# Altium PCB LimeSDR-PCIe_1v3.PcbDoc (part 5 of 10)
Units mm, origin at the board's own origin, x right, y up, seen from the top; angles counter-clockwise.
Board outline 136.85 x 68.9 mm, 12 copper layers (Top, L2, L3, L4, L5, L6, L7, L8, L9, L10, L11, Bottom), stack 1.638 mm thick; 831 components, 538 nets, 3821 pads, 1805 vias.
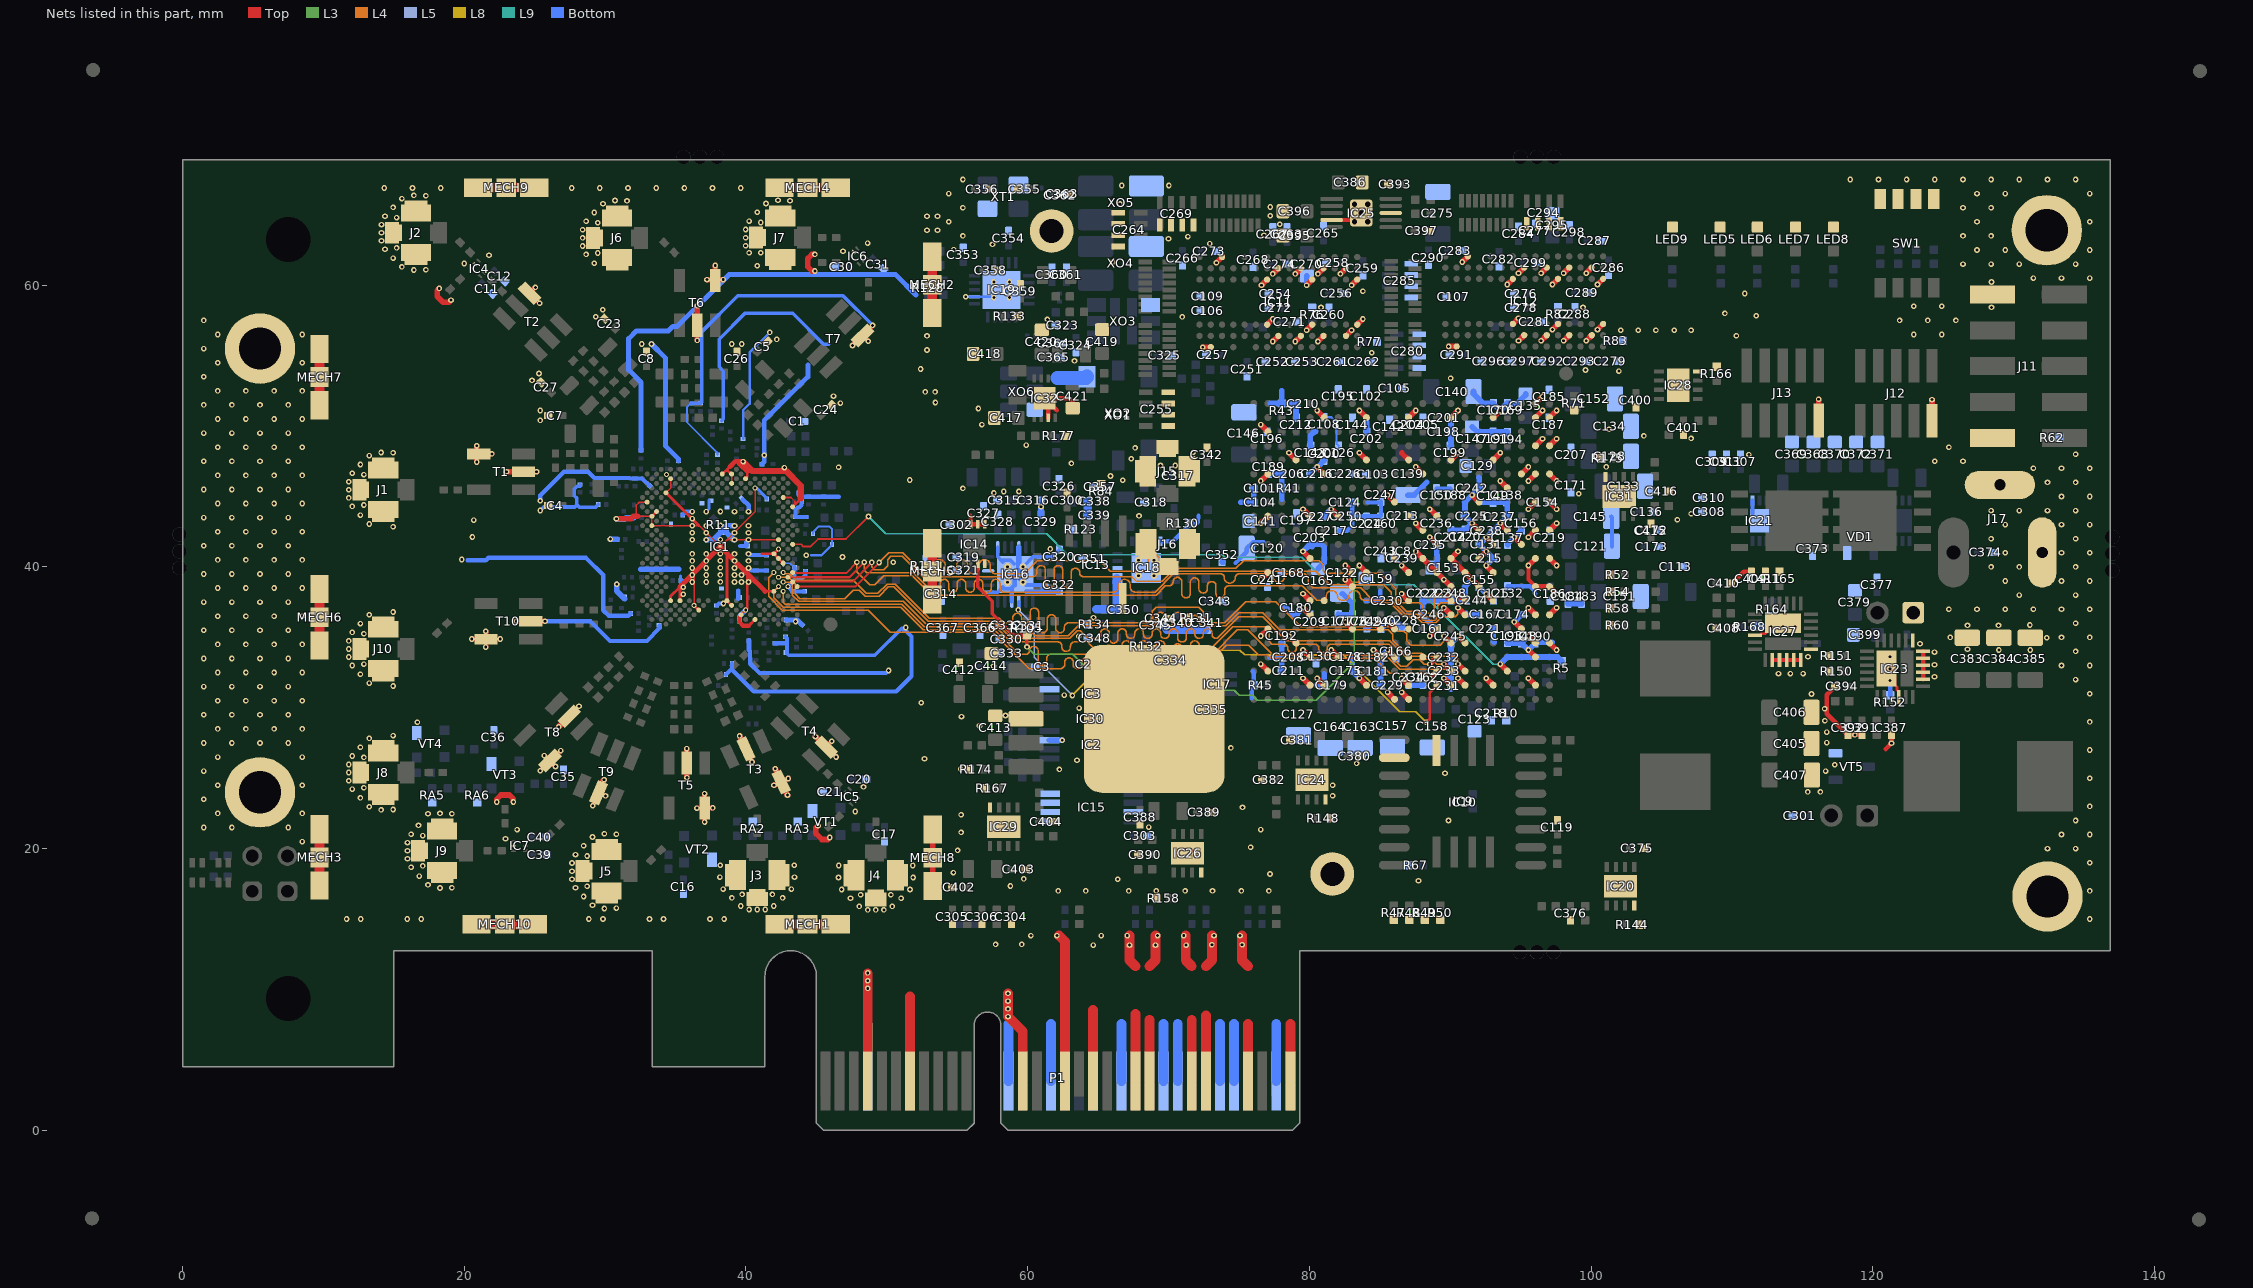
[diagram p15: the nets of this part, all layers, seen from the top]

## Via types
v1: diameter 0.4, hole 0.2, Top to Bottom, tented both sides, 1697 vias
v2: diameter 0.35, hole 0.2, Top to Bottom, tented top, 87 vias
v3: diameter 0.5, hole 0.2, Top to Bottom, tented both sides, 20 vias
v4: diameter 0.4, hole 0.2, Top to Bottom, tented top, 1 vias

## Nets (pads, with @x,y where several pads share a name; then routed paths per layer and width w, separated by ;. In a path a pad name is that pad's centre, name@x,y a point inside that pad or via, vN(x,y) a via of type N, cw(c..) or ccw(c..) an arc to the next point about the centre after c; other vN are vias at no path point) (continued)
GND: C1.2 C2.2 C3.1 C4.1 C5.1 C7.1 C8.1 C11.1 C12.1 C16.2 C17.2 C20.1 C21.1 C23.1 C24.1 C26.1 C27.1 C30.1 C31.1 C35.2 C36.2 C39.1 C40.1 C42.2 C43.2 C44.2 C45.2 C46.2 C47.2 C48.2 C49.2 C50.2 C51.2 C52.2 C53.2 C54.2 C55.2 C56.2 C57.2 C58.2 C59.2 C60.2 C61.2 C62.2 C63.2 C64.2 C65.2 C66.2 C67.2 C68.2 C69.2 C70.2 C71.2 C72.2 C73.2 C74.2 C75.2 C76.2 C77.2 C78.2 C79.2 C80.2 C81.2 C82.2 C83.2 C84.2 C85.2 C86.2 C87.2 C88.2 C89.2 C90.2 C91.2 C92.1 C93.2 C94.2 C95.2 C96.2 C97.2 C98.2 C99.2 C100.2 C101.2 C102.2 C103.2 C104.2 C105.2 C106.2 C107.2 C108.2 C109.2 C113.2 C119.2 C120.1 C121.1 C122.1 C123.1 C124.1 C125.2 C126.2 C127.1 C128.1 C129.1 C130.1 C131.2 C132.2 C133.1 C134.1 C135.1 C136.1 C137.1 C138.2 C139.1 C140.1 C141.1 C142.1 C143.1 C144.2 C145.1 C146.1 C147.1 C148.1 C149.1 C150.2 C151.1 C152.1 C153.1 C154.1 C155.1 C156.2 C157.1 C158.1 C159.1 C160.1 C161.1 C162.2 C163.1 C164.1 C165.1 C166.1 C167.1 C168.2 C169.2 C170.2 C171.2 C172.2 C173.2 C174.2 C175.2 C176.2 C177.2 C178.2 C179.2 C180.2 C181.2 C182.2 C183.2 C184.2 C185.2 C186.2 C187.2 C188.2 C189.2 C190.2 C191.2 C192.2 C193.2 C194.2 C195.2 C196.2 C197.2 C198.2 C199.2 C200.2 C201.2 C202.2 C203.2 C204.2 C205.2 C206.2 C207.2 C208.2 C209.2 C210.2 C211.2 C212.2 C213.2 C214.2 C215.2 C216.2 C217.2 C218.2 C219.2 C220.2 C221.2 C222.2 C223.2 C224.2 C225.2 C226.2 C227.2 C228.2 C229.2 C230.2 C231.2 C232.2 C233.2 C234.2 C235.2 C236.2 C237.2 C238.2 C239.2 C240.2 C241.2 C242.2 C243.2 C244.2 C245.2 C246.2 C247.2 C248.2 C249.2 C250.2 C251.2 C252.2 C253.2 C254.2 C255.5 C255.6 C255.7 C255.8 C256.2 C257.2 C258.2 C259.2 C260.2 C261.2 C262.2 C263.2 C264.5 C264.6 C264.7 C264.8 C265.2 C266.2 C267.2 C268.2 C269.5 C269.6 C269.7 C269.8 C270.1 C271.1 C272.1 C273.2 C274.2 C275.1 C276.2 C277.2 C278.2 C279.2 C280.5 C280.6 C280.7 C280.8 C281.2 C282.2 C283.2 C284.2 C285.5 C285.6 C285.7 C285.8 C286.2 C287.2 C288.2 C289.2 C290.2 C291.2 C292.2 C293.2 C294.5 C294.6 C294.7 C294.8 C295.1 C296.1 C297.1 C298.2 C299.2 C300.2 C301.2 C302.2 C303.2 C304.2 C305.2 C306.2 C307.2 C308.2 C309.2 C310.2 C311.2 C314.1 C315.1 C316.1 C317.1 C318.1 C319.1 C320.1 C321.1 C322.1 C323.1 C324.1 C325.1 C326.1 C327.1 C328.1 C329.1 C330.1 C331.1 C332.1 C333.1 C334.1 C335.2 C338.1 C339.1 C340.2 C341.2 C342.2 C343.2 C344.1 C345.2 C348.1 C350.1 C351.2 C352.1 C353.2 C354.2 C355.1 C356.1 C357.2 C358.2 C359.2 C360.1 C361.2 C362.1 C363.2 C364.1 C365.2 C366.1 C367.2 C368.1 C369.1 C370.1 C371.1 C372.1 C373.2 C374.2 C375.1 C376.1 C377.2 C379.1 C380.1 C381.1 C382.1 C383.1 C384.1 C385.1 C386.1 C387.2 C388.1 C389.1 C390.1 C391.2 C392.2 C393.1 C394.2 C395.1 C396.1 C397.2 C399.1 C400.1 C401.1 C402.1 C403.1 C404.1 C405.1 C406.1 C407.1 C408.2 C409.2 C410.2 C411.2 C412.1 C413.1 C414.1 C415.1 C416.1 C417.1 C418.1 C419.1 C420.1 C421.1 IC1.AA31 IC1.AF32 IC1.AG29 IC1.AJ7 IC1.AJ9 IC1.AJ19 IC1.AK12 IC1.AK20 IC1.AL13 IC1.AL23 IC1.AM22 IC1.AN25 IC1.B18 IC1.B20 IC1.C7 IC1.C23 IC1.D20 IC1.E25 IC1.F6 IC1.G31 IC1.GND IC1.H2 IC1.J33 IC1.K4 IC1.L3 IC1.N3 IC1.T30 IC1.V30 IC1.W29 IC1.Y30 IC2.1 IC2.2 IC2.3 IC2.4 IC2.7 IC3.4 IC3.7 IC4.2 IC5.2 IC6.2 IC7.2 IC8.A11 IC8.A12 IC8.AA1 IC8.AA2 IC8.AA5 IC8.AA8 IC8.AA11 IC8.AA14 IC8.AA17 IC8.AB2 IC8.B2 IC8.B5 IC8.B8 IC8.B11 IC8.B14 IC8.B17 IC8.B18 IC8.C21 IC8.D2 IC8.D10 IC8.D11 IC8.D12 IC8.D13 IC8.D16 IC8.D18 IC8.E1 IC8.E2 IC8.E7 IC8.E19 IC8.F3 IC8.F9 IC8.F11 IC8.F12 IC8.F13 IC8.F15 IC8.F21 IC8.G1 IC8.G2 IC8.G18 IC8.H5 IC8.H11 IC8.H17 IC8.H18 IC8.J1 IC8.J2 IC8.J6 IC8.J8 IC8.J15 IC8.K5 IC8.K7 IC8.K9 IC8.K11 IC8.K15 IC8.K21 IC8.L1 IC8.L2 IC8.L6 IC8.L8 IC8.L10 IC8.L12 IC8.L18 IC8.M3 IC8.M5 IC8.M9 IC8.N1 IC8.N2 IC8.N4 IC8.N6 IC8.N10 IC8.P9 IC8.P11 IC8.P16 IC8.P18 IC8.P21 IC8.R1 IC8.R2 IC8.R6 IC8.R12 IC8.T4 IC8.U1 IC8.U2 IC8.U3 IC8.U10 IC8.U17 IC8.U21 IC8.V5 IC8.V8 IC8.V11 IC8.V14 IC8.V19 IC8.W1 IC8.W2 IC8.Y21 IC9.4 IC10.10 IC11.A3 IC11.A7 IC11.B2 IC11.B8 IC11.D2 IC11.D8 IC11.E3 IC11.E7 IC11.F2 IC11.F8 IC11.H2 IC11.H8 IC11.J3 IC11.J7 IC11.N1 IC11.P9 IC12.A3 IC12.A7 IC12.B2 IC12.B8 IC12.D2 IC12.D8 IC12.E3 IC12.E7 IC12.F2 IC12.F8 IC12.H2 IC12.H8 IC12.J3 IC12.J7 IC12.N1 IC12.P9 IC13.4 IC14.4 IC14.5 IC14.6 IC14.7 IC15.1 IC15.2 IC15.3 IC15.4 IC15.7 IC16.1 IC16.4 IC16.7 IC16.11 IC16.12 IC16.16 IC16.19 IC16.22 IC16.25 IC17.5 IC18.1 IC18.2 IC18.3 IC18.9 IC18.10 IC18.21 IC19.7 IC19.21 IC20.4 IC20.9 IC21.4 IC21.7 IC23.4 IC23.8 IC23.9 IC23.10 IC23.11 IC23.12 IC23.13 IC23.25 IC24.4 IC24.9 IC25.4 IC25.8 IC25.11 IC26.4 IC26.9 IC27.4 IC27.8 IC27.9 IC27.10 IC27.11 IC27.12 IC27.13 IC27.25 IC28.4 IC28.9 IC29.4 IC29.9 IC30.3 IC31.4 IC31.9 IC32.7 IC32.9 J1.2 J2.2 J3.2 J4.2 J5.2 J6.2 J7.2 J8.2 J9.2 J10.2 J11.2 J11.10 J12.9 J13.9 J15.2 J16.2 J17.2 J17.3 J18.1 LED5.K LED6.K LED7.K LED8.K LED9.K MECH1.1 MECH2.1 MECH3.1 MECH4.1 MECH5.1 MECH6.1 MECH7.1 MECH8.1 MECH9.1 MECH10.1 MECH11.MH1 MECH12.MH1 MECH13.MH1 MECH14.MH1 P1.A4 P1.A12 P1.A15 P1.A18 P1.A20 P1.A23 P1.A24 P1.A27 P1.A28 P1.A31 P1.B4 P1.B7 P1.B13 P1.B16 P1.B18 P1.B21 P1.B22 P1.B25 P1.B26 P1.B29 P1.B32 R10.1 R11.2 R41.1 R43.1 R45.1 R47.1 R48.1 R49.1 R50.1 R52.2 R54.2 R58.2 R60.2 R62.2 R67.2 R71.2 R76.1 R77.1 R82.1 R83.1 R84.1 R111.1 R123.1 R128.2 R130.1 R131.2 R132.2 R133.1 R134.1 R144.2 R148.2 R150.1 R151.2 R152.1 R158.1 R164.1 R165.2 R166.2 R167.1 R168.2 R174.2 R175.2 R177.1 RA2.1 RA3.1 RA5.1 RA6.1 SW1.1 SW1.2 SW1.3 SW1.4 T1.2 T1.6 T2.3 T3.2 T3.4 T4.2 T5.2 T5.4 T6.2 T6.6 T7.3 T8.2 T8.4 T9.2 T10.2 T10.4 TP1.1 TP2.1 VD1.2 VT1.1 VT2.1 VT3.1 VT4.1 VT5.S XO1.2 XO2.2 XO3.4 XO4.2 XO5.2 XO6.3 XT1.2 XT1.4 | length 741.9
  Top w0.11: 32.225,43.675 32.225,44.4 32.421,44.596 IC1.H2@32.987,44.596 IC1.H2@32.99,44.599 ; 32.303,43.597 IC1.L3@33.32,43.597 ; IC1.N3@33.32,42.931 36.65,42.931 36.695,42.931 38.179,41.447 38.664,41.932 ; IC1.N3@33.323,43.03 IC1.L3@33.323,43.597 ; IC1.F6@34.319,45.262 34.652,45.595 IC1.C7@34.652,46.261 ; v2(36.317,37.27) 36.317,39.585 ; IC1.D20@38.981,45.928 IC1.B20@38.981,46.594 ; v2(40.646,45.595) 40.646,43.914 39.171,42.439 38.664,41.932 ; IC1.T30@42.311,41.932 38.664,41.932 ; IC1.G31@42.644,44.929 43.196,44.929 43.449,44.676 43.449,44.402
  Top w0.2: IC1.L3@33.32,43.597 IC1.K4@33.653,43.93 ; IC1.F6@34.319,45.262 36.65,42.931 ; IC1.AJ7@34.652,37.603 34.652,37.92 35.318,38.586 IC1.AJ9@35.318,37.603 ; v2(36.317,37.27) IC1.AL13@36.65,36.937 ; IC1.B18@38.315,46.594 38.571,46.85 38.695,46.85 ; 38.648,40.978 IC1.AJ19@38.648,37.603 IC1.AK20@38.981,37.27 ; 38.864,47.113 38.695,46.944 38.695,46.85 ; IC1.B20@38.951,46.594 38.695,46.85 ; 39.53,36.084 39.53,36.487 v2(39.98,36.937) 40.097,37.054 40.097,39.529 ; IC1.C23@39.965,46.276 40.097,46.407 40.097,46.78 ; 40.196,35.821 IC1.AN25@40.646,36.271 ; 41.142,40.933 IC1.W29@41.978,40.933 ; 41.357,38.269 IC1.AG29@41.978,38.269 ; v2(42.311,41.266) IC1.W29@41.978,40.933 ; IC1.AA31@42.644,40.267 IC1.Y30@42.311,40.6 IC1.W29@41.978,40.933 ; IC1.J33@43.31,44.263 43.449,44.402 43.899,44.852 ; IC27.4@112,35.15 112.1,35.25 112.325,35.25 112.475,35.4 113.025,35.4 IC27.25@113.625,36 ; IC23.25@120.974,32.776 121.574,32.176 121.574,31.626 121.724,31.476 121.724,31.251 IC23.4@121.824,31.151
  Top w0.3: 39.53,36.084 39.794,35.821 40.196,35.821 ; 55.95,43.625 IC14.7@55.95,43.025 IC14.6@56.45,43.025 56.775,43.025 56.8,43 ; IC32.7@61.462,50.575 61.462,51.725 IC32.9@61.212,51.975 ; 62.062,51.125 IC32.9@61.212,51.975 ; C421.1@63.2,51.275 63.2,51.7 62.925,51.975 IC32.9@61.212,51.975 ; IC25.4@81.575,64.625 IC25.11@83.175,64.625 ; v1(95.55,40.1) 95.55,39.1 IC8.J2@96.05,38.6 ; IC27.8@112.875,33.4 IC27.9@113.375,33.4 IC27.10@113.875,33.4 IC27.11@114.375,33.4 IC27.12@114.875,33.4 ; IC23.8@123.574,32.026 IC23.9@123.574,32.526 IC23.11@123.574,33.526 IC23.12@123.574,34.026
  Top w0.325: C408.2@108.925,35.65 C408.2@109.044,35.65 ; C410.2@109.925,38.75 110.825,39.65 C409.2@111.325,39.65 ; C394.2@117.324,31.526 116.724,30.926 116.724,29.576 118.224,28.076 C391.2@119.082,28.076 ; 120.92,27.071 v1(121.324,27.476) C387.2@121.324,28.076 C387.2@121.324,28.195
  Top w0.35: v1(20.531,34.881) T10.4@21.531,34.881 ; v1(21.531,34.306) T10.4@21.531,34.881 ; v1(21.531,35.431) T10.4@21.531,34.881 ; v1(22.556,34.881) T10.4@21.531,34.881 ; v1(25.051,59.842) 24.644,59.434 v1(25.351,58.722) ; v1(25.399,25.532) T8.4@26.069,26.224 ; v1(25.674,26.607) T8.4@26.069,26.224 ; T8.4@26.096,26.252 T8.4@26.069,26.224 ; T8.4@26.152,26.236 v1(26.849,26.957) ; v1@26.395,25.91 T8.4@26.069,26.224 ; v1(29.127,23.042) T9.2@29.361,23.539 ; T9.2@29.529,23.976 v1(30.027,23.742) ; 35.318,38.586 36.171,39.439 36.317,39.585 38.179,41.447 38.648,40.978 40.097,39.529 41.357,38.269 ; v1(36.517,22.875) T5.4@37.069,22.893 ; T5.4@37.061,22.9 v1(37.065,23.904) ; v1(37.065,21.889) T5.4@37.069,22.893 ; v1(37.645,22.893) T5.4@37.069,22.893 ; 38.864,47.113 39.251,47.5 39.85,47.5 40.45,46.9 40.45,46.806 ; 39.5,47.377 39.614,47.264 40.097,46.78 ; IC1.C23@39.965,46.276 IC1.C23@39.98,46.261 ; T4.2@45.876,27.406 v1(46.092,27.622) ; v1(47.566,55.719) T7.3@48.278,56.426 ; T7.3@48.273,56.431 T7.3@48.278,56.426 ; T7.3@48.278,56.437 v1(48.991,57.144) ; v1(48.686,56.019) T7.3@48.278,56.426
  Top w0.4: v1(18.225,59.775) 18.075,59.625 18.075,59.218 18.5,58.793 18.907,58.793 v1(19.057,58.943) ; T1.6@20.879,48.022 T1.6@20.883,48.026 ; v1(20.884,47.447) 20.884,48.022 v1(20.884,48.597) ; T1.6@20.886,48.018 20.89,48.022 v1(21.959,48.022) ; v1(22.312,23.306) 22.312,23.518 22.6,23.806 23.2,23.806 23.488,23.518 v1(23.488,23.306) ; v1(23,46.752) 24.07,46.752 v1(25.139,46.752) ; v1(23.706,36.137) v1(25.731,36.137) ; T8.4@26.096,26.252 T8.4@26.449,26.605 ; v1(26.705,28.657) T8.2@27.447,29.399 ; T9.2@29.529,23.976 29.852,24.299 29.852,24.817 v1(29.927,24.892) ; v1(30.8,43.425) 31.85,43.425 32.022,43.597 32.303,43.597 ; T5.2@35.795,26.302 v1(35.795,27.102) ; v1(35.803,25.043) T5.2@35.803,25.843 ; v1(36.544,56.081) T6.2@36.544,57.151 ; T6.2@36.55,57.475 v1(36.55,58.545) ; v1(37.236,60.399) 37.811,60.399 v1(38.386,60.399) ; T6.6@37.814,60.331 v1(37.815,61.401) ; v1(39.549,28.001) 39.984,27.068 T3.2@40.308,26.373 ; T3.2@39.665,27.779 39.994,27.073 v1(40.424,26.151) ; v1(41.986,24.503) 42.492,24.739 T3.4@42.508,24.747 ; v1(42.074,25.676) T3.4@42.508,24.747 ; T3.4@42.19,25.429 T3.4@42.508,24.747 ; T3.4@42.833,24.048 42.512,24.738 T3.4@42.508,24.747 ; v1(42.949,23.801) 42.512,24.738 T3.4@42.508,24.747 ; v1(42.999,24.976) T3.4@42.508,24.747 ; v1(44.894,61.012) 44.682,61.012 44.394,61.3 44.394,61.9 44.682,62.188 v1(44.894,62.188) ; v1(44.939,27.954) T4.2@45.505,27.388 ; v1(45.113,21.626) 44.963,21.476 44.963,21.069 45.387,20.645 45.795,20.645 v1(45.945,20.795) ; T4.2@45.836,27.07 v1(46.402,26.504) ; MECH8.1@53.25,17.35 MECH8.1@53.25,19.35 MECH8.1@53.25,21.35 ; v1(72.434,55.6) IC11.P9@73,55.6 ; v1(73.4,61.6) IC11.N1@73.8,62 ; v1(76.55,33.1) IC8.C21@77.05,32.6 ; v1(76.55,35.1) IC8.F21@77.05,35.6 ; v1(76.55,39.1) IC8.K21@77.05,39.6 ; v1(76.55,43.1) IC8.P21@77.05,43.6 ; v1(76.55,46.1) IC8.U21@77.05,46.6 ; v1(76.55,50.1) IC8.Y21@77.05,49.6 ; v1(76.6,60) IC11.J3@77,60.4 ; IC11.J7@77,57.2 v1(77.4,57.6) ; v1(77.4,56) IC11.H8@77.8,56.4 ; v1(77.4,60.8) IC11.H2@77.8,61.2 ; v1(78.55,35.1) IC8.E19@79.05,34.6 ; v1(78.55,48.1) IC8.V19@79.05,47.6 ; v1(79,56) IC11.F8@79.4,56.4 ; v1(79,60.8) IC11.F2@79.4,61.2 ; v1(79.55,32.1) IC8.B18@80.05,31.6 ; v1(79.55,34.1) IC8.D18@80.05,33.6 ; v1(79.55,37.1) IC8.G18@80.05,36.6 ; v1(79.55,38.1) IC8.H18@80.05,37.6 ; v1(79.55,41.1) IC8.L18@80.05,40.6 ; v1(79.55,44.1) IC8.P18@80.05,43.6 ; v1(79.8,56.8) IC11.E7@80.2,57.2 ; v1(79.8,60) IC11.E3@80.2,60.4 ; v1(80.55,32.1) IC8.B17@81.05,31.6 ; v1(80.55,47.1) IC8.U17@81.05,46.6 ; v1(80.55,51.1) IC8.AA17@81.05,50.6 ; v1(80.6,56) IC11.D8@81,56.4 ; v1(80.6,60.8) IC11.D2@81,61.2 ; v1(81.55,34.1) IC8.D16@82.05,33.6 ; v1(81.55,44.1) IC8.P16@82.05,43.6 ; v1(82.2,60.8) IC11.B2@82.6,61.2 ; v1(82.55,36.1) IC8.F15@83.05,35.6 ; v1(82.55,39.1) IC8.J15@83.05,38.6 ; v1(82.55,40.1) IC8.K15@83.05,39.6 ; IC11.B8@82.6,56.4 v1(83,56.8) ; v1(83,60) IC11.A3@83.4,60.4 ; IC11.A7@83.4,57.2 v1(83.8,57.6) ; v1(83.55,32.1) IC8.B14@84.05,31.6 ; v1(83.55,48.1) IC8.V14@84.05,47.6 ; v1(83.55,51.1) IC8.AA14@84.05,50.6 ; v1(84.55,34.1) IC8.D13@85.05,33.6 ; v1(84.55,36.1) IC8.F13@85.05,35.6 ; v1(85.55,31.1) IC8.A12@86.05,30.6 ; v1(85.55,34.1) IC8.D12@86.05,33.6 ; v1(85.55,36.1) IC8.F12@86.05,35.6 ; v1(85.55,45.1) IC8.R12@86.05,44.6 ; v1(86.55,31.1) IC8.A11@87.05,30.6 ; v1(86.55,32.1) IC8.B11@87.05,31.6 ; v1(86.55,38.1) IC8.H11@87.05,37.6 ; v1(86.55,40.1) IC8.K11@87.05,39.6 ; 86.55,48.1 IC8.V11@87.05,47.6 ; IC8.AA11@87.05,50.6 v1(87.55,51.1) ; v1(87.55,41.1) IC8.L10@88.05,40.6 IC8.K9@89.05,39.6 v1(89.55,39.1) IC8.J8@90.05,38.6 ; v1(87.55,43.1) IC8.N10@88.05,42.6 ; v1(87.55,47.1) IC8.U10@88.05,46.6 ; v1(88.55,35.1) IC8.F9@89.05,35.6 ; v1(88.55,42.1) IC8.M9@89.05,41.6 ; v1(88.55,44.1) IC8.P9@89.05,43.6 ; v1(89.55,32.1) IC8.B8@90.05,31.6 ; v1(89.884,55.65) IC12.P9@90.45,55.65 ; IC8.V8@90.05,47.6 v1(90.55,48.1) ; IC8.AA8@90.05,50.6 v1(90.55,51.1) ; v1(90.55,35.1) IC8.E7@91.05,34.6 ; v1(90.55,41.1) IC8.L8@90.05,40.6 IC8.K7@91.05,39.6 v1(91.55,39.1) IC8.J6@92.05,38.6 ; v1(90.85,61.65) IC12.N1@91.25,62.05 ; v1(91.55,43.1) IC8.N6@92.05,42.6 ; v1(91.55,45.1) IC8.R6@92.05,44.6 ; IC8.L6@92.05,40.6 v1(92.55,41.1) ; v1(92.55,32.1) IC8.B5@93.05,31.6 ; v1(92.55,38.1) IC8.H5@93.05,37.6 ; v1(92.55,40.1) IC8.K5@93.05,39.6 ; v1(92.55,42.1) IC8.M5@93.05,41.6 ; IC8.V5@93.05,47.6 v1(93.55,48.1) ; IC8.AA5@93.05,50.6 v1(93.55,51.1) ; v1(93.55,43.1) IC8.N4@94.05,42.6 ; v1(93.55,46.1) IC8.T4@94.05,45.6 ; v1(94.05,60.05) IC12.J3@94.45,60.45 ; IC12.J7@94.45,57.25 v1(94.85,57.65) ; v1(94.55,36.1) IC8.F3@95.05,35.6 ; v1(94.55,42.1) IC8.M3@95.05,41.6 ; v1(94.85,56.05) IC12.H8@95.25,56.45 ; v1(94.85,60.85) IC12.H2@95.25,61.25 ; IC8.U3@95.05,46.6 v1(95.55,47.1) ; v1(95.55,32.1) IC8.B2@96.05,31.6 ; v1(95.55,34.1) IC8.D2@96.05,33.6 ; v1(95.55,35.1) IC8.E2@96.05,34.6 ; v1(95.55,37.1) IC8.G2@96.05,36.6 ; v1(95.55,40.1) IC8.L2@96.05,40.6 ; v1(95.55,42.1) IC8.N2@96.05,42.6 ; v1(95.55,44.1) IC8.R2@96.05,44.6 ; v1(95.55,46.1) IC8.U2@96.05,46.6 ; IC8.J2@96.05,38.6 IC8.J1@97.05,38.6 v1(97.55,38.1) ; IC8.W2@96.05,48.6 v1(96.55,49.1) ; IC8.AA2@96.05,50.6 v1(96.55,51.1) ; IC8.AB2@96.05,51.6 v1(96.55,52.1) ; v1(96.45,56.05) IC12.F8@96.85,56.45 ; v1(96.45,60.85) IC12.F2@96.85,61.25 ; IC8.E1@97.05,34.6 v1(97.55,34.1) ; IC8.G1@97.05,36.6 v1(97.55,37.1) ; IC8.L1@97.05,40.6 v1(97.55,40.1) ; IC8.N1@97.05,42.6 v1(97.55,43.1) ; IC8.R1@97.05,44.6 v1(97.55,44.1) ; IC8.U1@97.05,46.6 v1(97.55,46.1) ; IC8.W1@97.05,48.6 v1(97.55,49.1) ; IC8.AA1@97.05,50.6 v1(97.55,51.1) ; v1(97.25,56.85) IC12.E7@97.65,57.25 ; v1(97.25,60.05) IC12.E3@97.65,60.45 ; v1(98.05,56.05) IC12.D8@98.45,56.45 ; v1(98.05,60.85) IC12.D2@98.45,61.25 ; v1(99.65,56.05) IC12.B8@100.05,56.45 ; v1(99.65,60.85) IC12.B2@100.05,61.25 ; v1(100.45,56.85) IC12.A7@100.85,57.25 ; v1(100.45,60.05) IC12.A3@100.85,60.45 ; J13.9@116.15,50.4 v1(116.15,51.9) ; J12.9@124.2,50.375 v1(124.2,51.875)
  Top w0.45: 40.45,46.806 42.725,46.806 42.849,46.806 43.899,45.756 43.899,44.852
  Top w0.7: MECH3.1@9.725,17.375 MECH3.1@9.725,19.375 MECH3.1@9.725,21.375 ; MECH6.1@9.725,34.425 MECH6.1@9.725,36.425 MECH6.1@9.725,38.425 ; MECH7.1@9.725,51.475 MECH7.1@9.725,53.475 MECH7.1@9.725,55.475 ; MECH10.1@20.875,14.625 MECH10.1@22.875,14.625 MECH10.1@24.875,14.625 ; MECH9.1@20.975,66.925 MECH9.1@22.975,66.925 MECH9.1@24.975,66.925 ; MECH1.1@42.375,14.625 MECH1.1@44.375,14.625 MECH1.1@46.375,14.625 ; MECH4.1@42.375,66.925 MECH4.1@44.375,66.925 MECH4.1@46.375,66.925 ; P1.B4@48.65,3.5 v1@48.65,11.125 ; P1.B7@51.65,3.5 51.65,9.5 ; MECH5.1@53.225,37.675 MECH5.1@53.225,39.675 MECH5.1@53.225,41.675 ; MECH2.1@53.225,58.025 MECH2.1@53.225,60.025 MECH2.1@53.225,62.025 ; v1(58.6,9.725) v1(58.6,8.075) 59.6,7.075 ; P1.B13@59.65,3.5 59.65,7.025 ; v1@62.225,13.825 62.65,13.4 P1.B16@62.65,3.5 ; P1.B18@64.65,3.5 64.65,8.55 ; v1@67.225,13.825 67.225,12.075 67.65,11.65 ; P1.B21@67.65,3.5 67.65,8.25 ; P1.B22@68.65,3.5 68.65,7.85 ; 68.65,11.65 69.075,12.075 v1@69.075,13.825 ; v1@71.225,13.825 71.225,12.075 71.65,11.65 ; P1.B25@71.65,3.5 71.65,7.85 ; P1.B26@72.65,3.5 72.65,8.15 ; 72.65,11.65 73.075,12.075 v1@73.075,13.825 ; v1@75.225,13.825 75.225,12.075 75.65,11.65 ; P1.B29@75.65,3.5 75.65,7.55 ; P1.B32@78.65,3.5 78.65,7.55
  Bottom w0.11: C51.2@42.672,40.233 42.672,40.264 43.114,40.264 43.401,39.976 C45.2@43.449,39.976
  Bottom w0.13: C54.2@36.085,51.631 35.802,51.348 35.802,50.286 37.974,48.114 C73.2@37.974,47.961
  Bottom w0.15: 44.625,40.825 45.36,40.825 46.104,41.569 46.104,41.581 46.099,41.586 46.099,42.7 45.918,42.881 45.174,42.881 44.754,42.461 C47.2@44.754,42.356 ; C108.2@81.05,50.625 81.555,50.625 81.93,50.25 81.93,48.745 C126.2@82.075,48.6
  Bottom w0.17: C95.2@39.794,49.079 39.794,51.12 40.26,51.586 40.26,55.211 41.685,56.636 v1(41.685,56.648)
  Bottom w0.2: 35.354,38.711 C99.2@35.354,39.031 ; 35.354,39.351 C99.2@35.354,39.031 ; 35.674,39.031 C99.2@35.354,39.031 ; v1(37.184,43.927) 37.369,44.112 C79.2@37.369,44.761 ; v2(40.646,45.595) 40.761,45.595 41.479,44.876 C74.2@41.479,44.806 ; v1(55.6,59.175) IC19.7@56.225,59.175 IC19.21@57.65,59.175
  Bottom w0.25: v1(25.395,44.003) 25.645,44.253 27.828,44.253 28,44.425 ; C62.2@28.231,45.856 28.231,45.728 28.02,45.728 27.806,45.514 27.806,45.065 28,44.871 28,44.425 ; C61.2@29.519,44.431 29.338,44.25 28.175,44.25 28,44.425 ; C54.2@36.085,51.631 C53.2@36.781,51.631 36.844,51.694 36.844,56.68 39.414,59.25 46.885,59.25 v1(48.991,57.144) ; C55.2@38.275,50.38 38.4,50.505 38.4,53.894 38.094,54.2 38.094,56.162 39.932,58 43.327,58 45.508,55.819 45.875,55.819 ; C84.2@42.904,33.856 43.035,33.725 49.148,33.725 51.074,35.651 ; IC16.19@57.2,38.212 57.875,38.212 58.239,38.577 58.239,38.437 58.772,38.437 59.05,38.716 59.05,39.248 58.911,39.248 IC16.25@59.125,39.462 IC16.25@59.375,39.712 ; IC16.1@57.875,41.387 57.875,40.712 58.239,40.348 58.239,40.487 58.772,40.487 IC16.25@59.05,40.209 ; v3(59.675,40.012) 60.375,40.712 IC16.7@61.05,40.712 61.75,40.712 C320.1@62.25,41.212
  Bottom w0.29: 40.224,34.106 40.299,34.031 40.299,33.5 40.304,33.495 40.304,33.125 40.974,32.455 49.93,32.455 v1(50.125,32.65)
  Bottom w0.3: 20.225,40.475 21.531,40.475 21.7,40.644 28.649,40.644 29.87,39.422 29.87,36.921 30.265,36.526 31.639,36.526 C89.2@31.819,36.706 ; v1(25.395,44.703) 25.395,45.077 27.074,46.756 28.79,46.756 29.233,46.313 31.752,46.313 31.779,46.286 32.628,46.286 C93.2@33.176,45.739 ; v1(25.731,36.137) 28.963,36.137 30.35,34.75 32.968,34.75 33.874,35.656 C88.2@33.874,35.826 ; C98.2@35.504,43.681 35.749,43.927 v1(36.184,43.927) ; C57.2@37.949,37.261 38.094,37.406 v4(38.399,37.406) ; C100.2@38.592,32.368 38.899,32.675 39.004,32.675 ; C87.2@39.004,33.156 39.004,32.675 ; C82.2@39.454,37.731 39.454,38.326 ; 39.594,41.481 40.024,41.481 40.024,41.767 v1(40.184,41.927) ; v1(40.184,39.927) 40.374,39.736 C72.2@41.474,39.736 ; v1(40.184,40.927) 40.274,40.836 C70.2@41.474,40.836 ; C83.2@42.024,34.576 42.764,34.576 ; C64.2@42.799,35.026 42.904,34.921 C84.2@42.904,33.856 ; C45.2@43.449,39.976 43.449,39.074 ; C65.2@43.524,43.544 43.524,44.076 43.659,44.211 43.778,44.211 43.949,44.383 43.949,44.89 ; C65.2@43.569,43.544 C66.2@44.281,43.544 ; C49.2@43.729,45.281 43.729,45.11 43.949,44.89 ; C43.2@44.124,38.261 43.317,38.261 v2(42.977,38.602) 43.449,39.074 ; C46.2@44.224,39.701 44.224,39.431 43.866,39.074 43.449,39.074 ; 46.585,44.986 45.224,44.986 C67.2@44.449,44.986 44.045,44.986 43.949,44.89 ; 51.092,35.633 51.278,35.447 51.373,35.447 51.753,35.066 51.753,32.234 50.669,31.15 40.555,31.15 39.03,32.675 39.004,32.675 ; IC16.16@58.875,37.537 58.875,38.505 59.075,38.705 IC16.25@59.075,39.266 ; IC16.25@59.125,39.462 v3(59.675,38.912) ; IC16.25@59.875,38.237 IC16.12@61.05,38.237 ; IC16.25@59.875,38.712 IC16.11@61.05,38.712 IC16.12@61.05,38.237 ; C322.1@62.25,38.225 62.25,38.237 IC16.12@61.05,38.237 ; IC18.10@69.425,41.825 70.325,41.825 71.55,43.05 71.975,43.05 72.1,43.175 72.1,43.443 72.125,43.468 72.125,43.625 ; 74.75,40.275 75.55,41.075 C120.1@75.55,41.325 76,41.775 76.75,41.775 ; 75.9,30.65 75.9,31.45 R45.1@76.05,31.6 76.05,32.525 75.975,32.6 ; C217.2@82.075,42.575 82.682,42.575 83.05,42.943 C124.1@83.05,44.6 ; C250.2@83.1,43.6 85,43.6 85.075,43.675 C247.2@85.075,44.625 85.025,44.575 84.15,44.575 ; 83.975,37.6 C230.2@85.025,37.6 85.025,38.325 ; C150.2@89.025,45.575 C188.2@90.025,45.575 ; C132.2@94.075,38.625 95.661,38.625 96,38.286 96,38.15 96.05,38.1 ; C145.1@101.425,43.575 101.475,43.525 C121.1@101.475,41.475 ; IC21.7@111.45,43.775 IC21.4@111.45,44.71
  Bottom w0.325: C81.2@39.779,44.781 40.184,44.376 v1(40.184,43.927) ; R168.2@111.75,35.75 v3(114.475,35.75) ; R152.1@121.224,30.901 v3(121.224,32.776) v3(121.224,33.626)
  Bottom w0.35: C94.2@32.554,48.266 32.55,48.27 32.55,53.113 31.67,53.993 31.67,56.209 32.212,56.751 34.491,56.751 34.816,57.076 35.118,57.076 38.793,60.75 50.625,60.75 52.075,59.3 ; v1(33.295,55.826) 34.275,54.846 34.275,48.591 35.199,47.667 C78.2@35.2,47.511 ; C86.2@39.53,36.206 39.53,36.487 v2(39.98,36.937) ; 40.224,34.106 C85.2@40.224,34.776 ; C75.2@41.124,47.286 41.3,47.462 41.3,50.4 44.389,53.489 44.389,54.332 ; C63.2@42.874,36.236 43.644,36.236 C56.2@43.976,35.904